# Altium PCB Smart-Light-Modulator-V1.1.PcbDoc
Units mil, origin at the board's own origin, x right, y up, seen from the top; angles counter-clockwise.
Board outline 3937.06 x 3785 mil, 2 copper layers (Top Layer, Bottom Layer); 137 components, 92 nets, 428 pads, 430 vias.
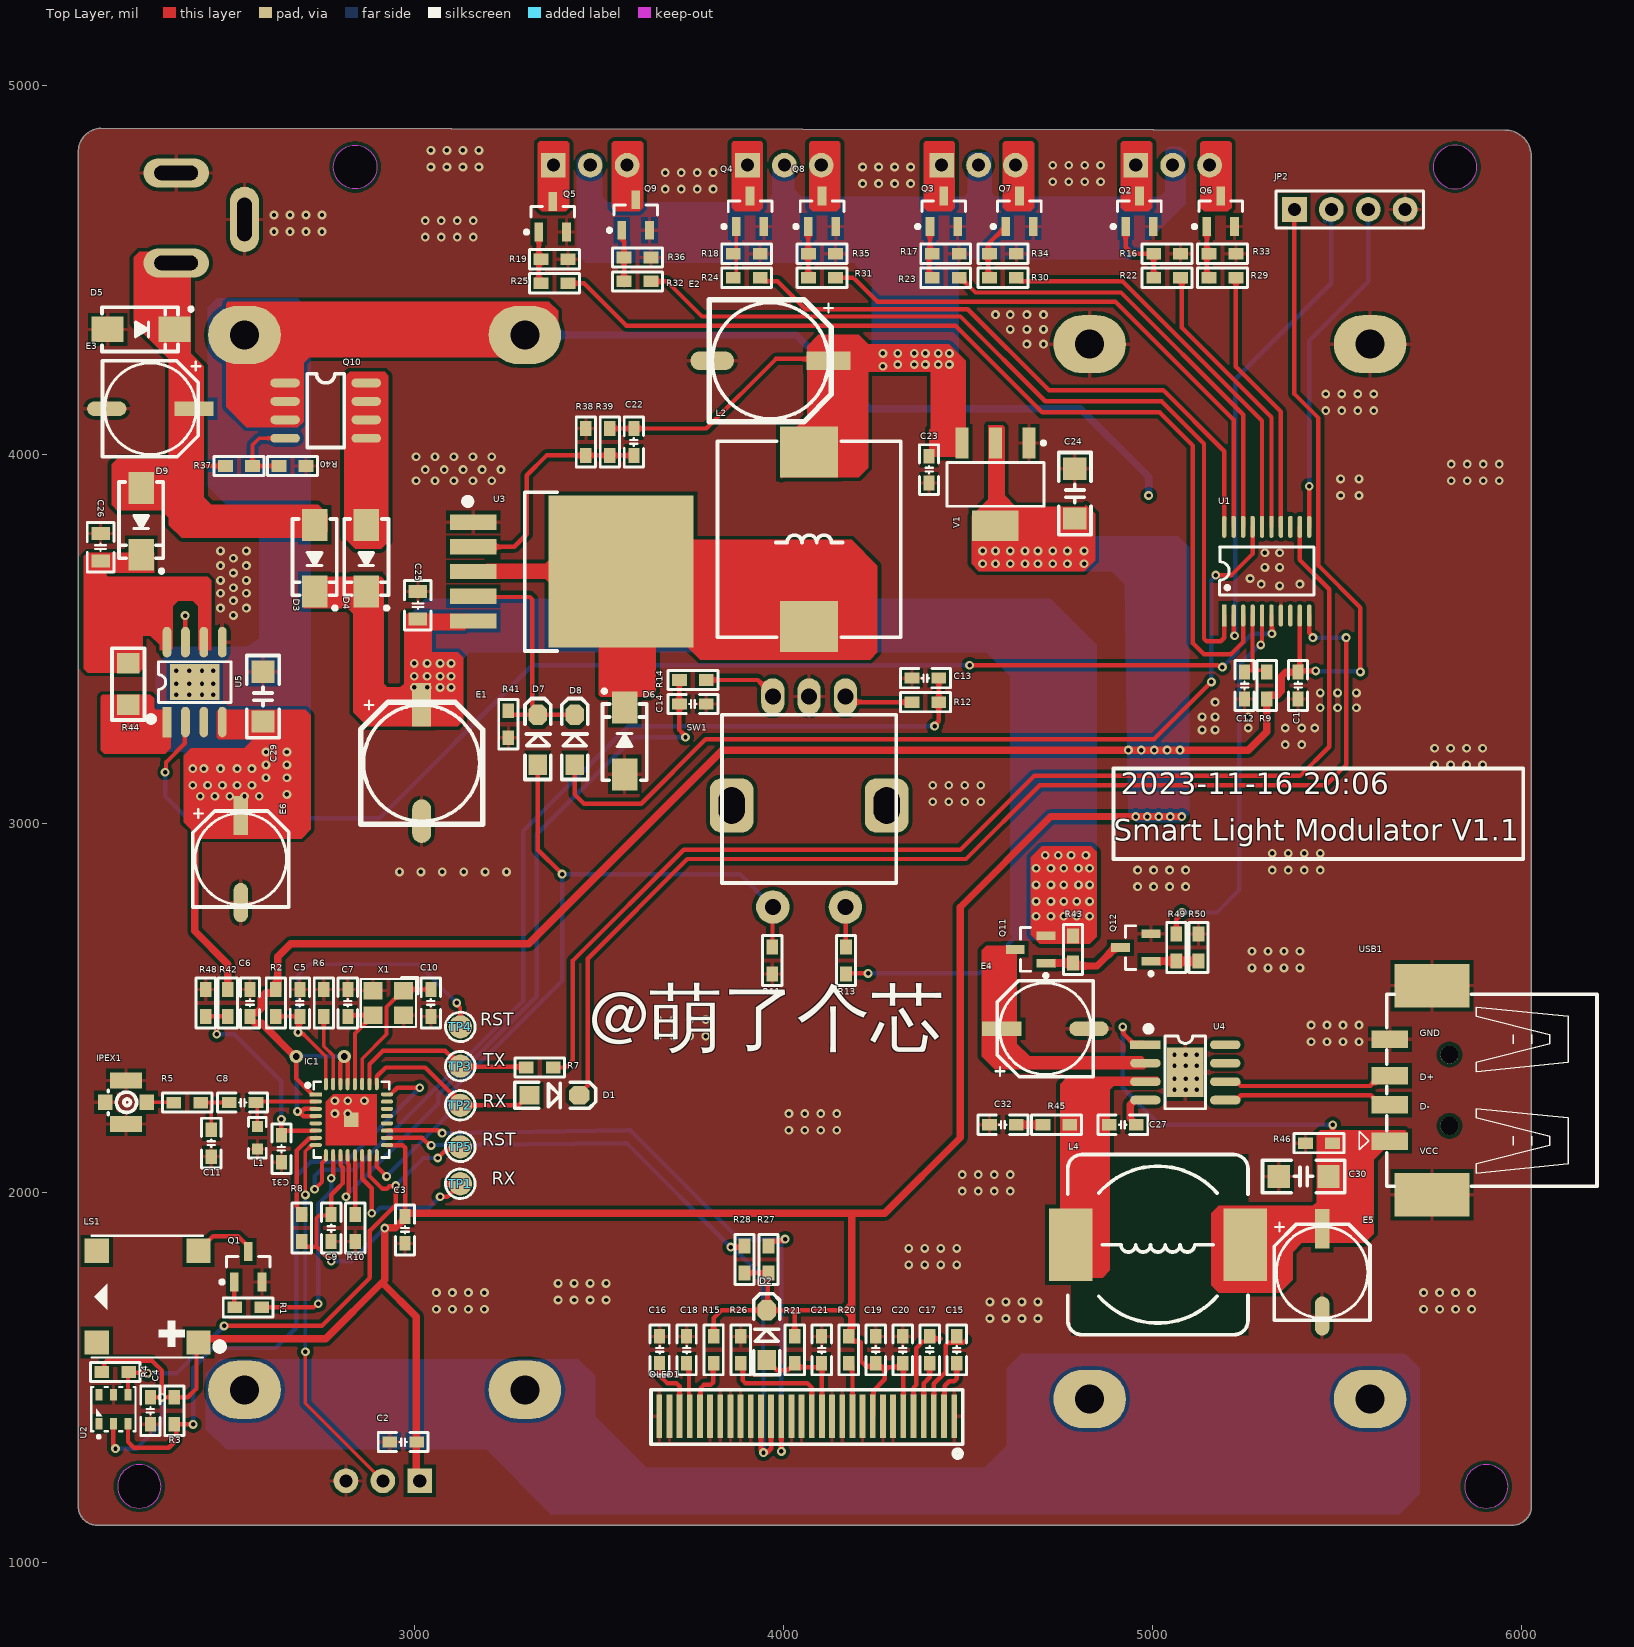
[diagram p0: Top Layer view]
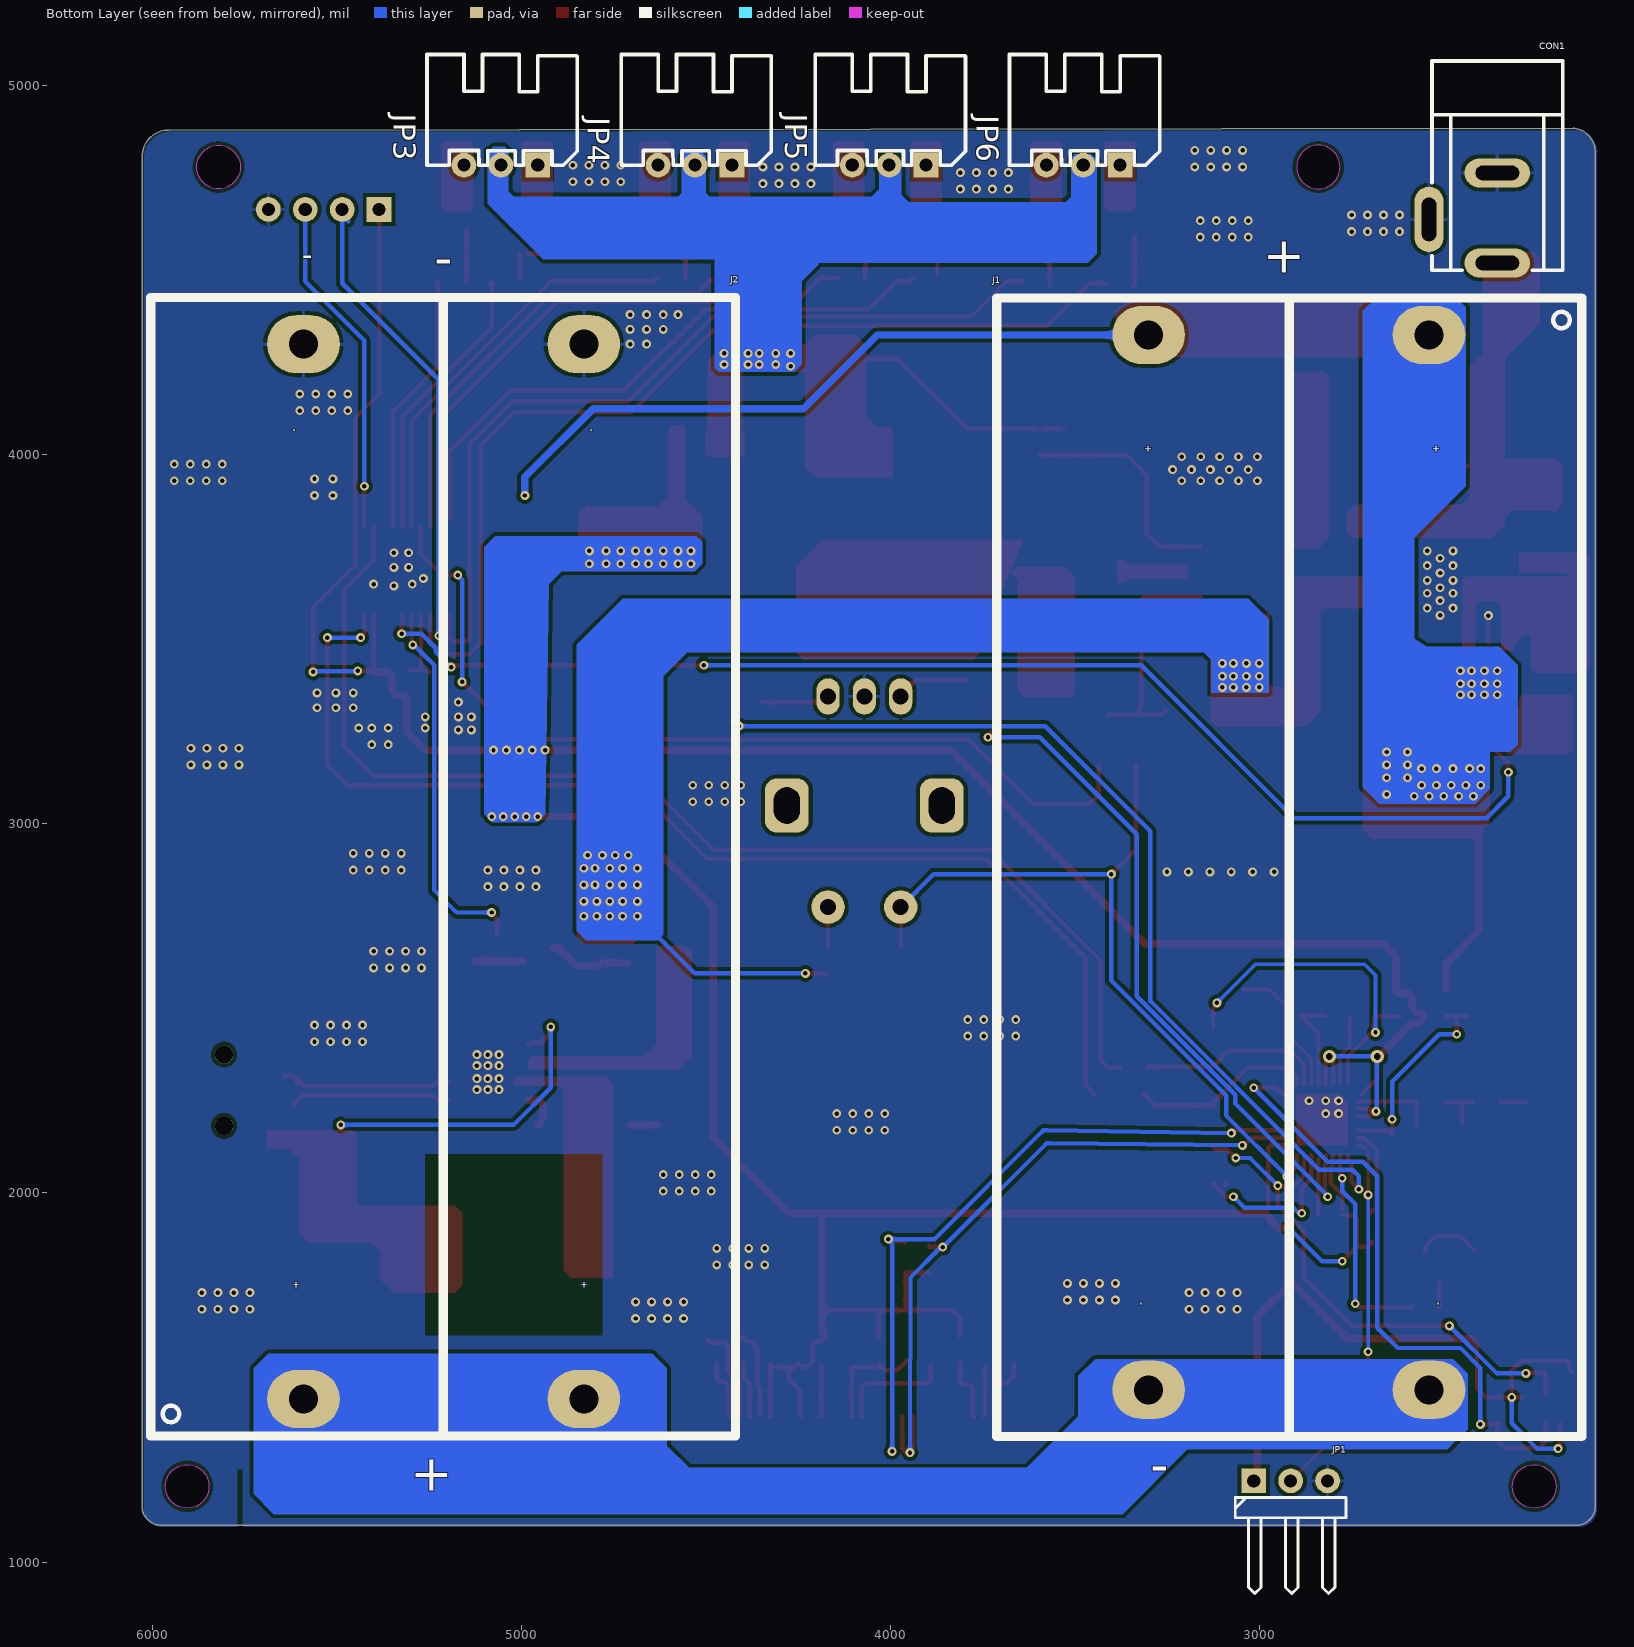
[diagram p1: Bottom Layer view, seen from below]

## Layer stack, top to bottom
Top Solder: solder mask 0.4, Solder Resist, Dk 3.5
Top Layer: signal copper 1.4
Dielectric 1: dielectric 12.6, FR-4, Dk 4.8
Bottom Layer: signal copper 1.4
Bottom Solder: solder mask 0.4, Solder Resist, Dk 3.5

## Board outline
2090,1150 ccw(c2140,1150) 2140,1100 5980,1100 ccw(c5976,1151) 6027.01,1155 6027.01,4810 ccw(c5956,4809) 5955,4880 2150,4885 ccw(c2152.5,4822.5) 2090,4820
cut-out: 2840,4720.94 cw(c2840,4780) 2780.94,4780 cw(c2840,4780) 2840,4839.06 cw(c2840,4780) 2899.06,4780 cw(c2840,4780)
cut-out: 5845.94,1205 ccw(c5905,1205) 5905,1145.94 ccw(c5905,1205) 5964.06,1205 ccw(c5905,1205) 5905,1264.06 ccw(c5905,1205)
cut-out: 5760.94,4780 ccw(c5820,4780) 5820,4720.94 ccw(c5820,4780) 5879.06,4780 ccw(c5820,4780) 5820,4839.06 ccw(c5820,4780)
cut-out: 2195.94,1205 ccw(c2255,1205) 2255,1145.94 ccw(c2255,1205) 2314.06,1205 ccw(c2255,1205) 2255,1264.06 ccw(c2255,1205)

## Design rules (kind name [scope] priority, off if disabled: settings)
Clearance inpolygon [inpolygon] p1: gap=10 ignorepadtopadclearanceinfootprint=FALSE
Clearance [All] p2: gap=5 ignorepadtopadclearanceinfootprint=FALSE
PolygonConnect [All] p1: thpad.connectstyle=Relief thpad.reliefconductorwidth=10 thpad.reliefentries=4 thpad.polygonreliefangle="90 Angle" thpad.airgapwidth=10 smdpad.connectstyle=Relief smdpad.reliefconductorwidth=10 smdpad.reliefentries=4 smdpad.polygonreliefangle="90 Angle" smdpad.airgapwidth=10 via.connectstyle=Direct via.reliefconductorwidth=10 via.reliefentries=4 via.polygonreliefangle="90 Angle" via.airgapwidth=10
RoutingVias [All] p1: holewidth=15 width=30 viastyle="Through Hole" minholewidth=10 minwidth=20 maxholewidth=30 maxwidth=60
SolderMaskExpansion [All] p1: expansion=4 istentingtop=FALSE
Width [InNetClass('All Nets')] p1: maxlimit=50 minlimit=8 preferedwidth=12
30 further rules are at their usual default settings.

## Classes and differential pairs
component class Smart-Light-Hk-V1.1: C1 C2 C3 C4 C5 C6 C7 C8 C9 C10 C11 C12 C13 C14 C15 C16 C17 C18 C19 C20 C21 D1 D2 IC1 IPEX1 JP1 JP2 JP3 JP4 JP5 JP6 L1 LS1 OLED1 Q1 Q2 Q3 Q4 Q5 Q6 Q7 Q8 Q9 R1 R2 R3 R4 R5 R6 R7 R8 R9 R10 R11 R12 R13 R14 R15 R16 R17 R18 R19 R20 R21 R22 R23 R24 R25 R26 R27 R28 R29 R30 R31 R32 R33 R34 R35 R36 SW1 TP1 TP2 TP3 TP4 TP5 U1 U2 X1
component class Power-V1.1: C22 C23 C24 C25 C26 C27 C29 C30 C31 C32 CON1 D3 D4 D5 D6 D7 D8 D9 E1 E2 E3 E4 E5 E6 J1 J2 L2 L4 Q10 Q11 Q12 R37 R38 R39 R40 R41 R42 R43 R44 R45 R46 R48 R49 R50 U3 U4 U5 USB1 V1

## Components (designator, comment, footprint, x,y, rotation, side; value= is the part's Value field where it differs from the comment)
C1 "100nF" C0603_M 5395,3375 r90 top
C2 "100nF" C0603_M 2970,1325 r0 top
C3 "100nF" C0603_M 2975,1900 r90 top
C4 "100nF" C0603_M 2285,1410 r90 top
C5 "100nF" C0603_M 2690,2515 r270 top
C6 "100nF" C0603_M 2555,2515 r270 top
C7 "10pF" C0603_M 2820,2515 r270 top
C8 "8.2pF" C0603_M 2535,2245 r180 top
C9 "100nF" C0603_M 2775,1905 r90 top
C10 "10pF" C0603_M 3045,2515 r90 top
C11 "2.4pF" C0603_M 2450,2135 r90 top
C12 "100nF" C0603_M 5250,3375 r270 top
C13 "100nF" C0603_M 4385,3395 r180 top
C14 "100nF" C0603_M 3755,3325 r180 top
C15 "1uF" C0603_M 4470,1575 r270 top
C16 "2.2uF" C0603_M 3665,1575 r90 top
C17 "1uF" C0603_M 4396.82,1575 r270 top
C18 "4.7uF" C0603_M 3738.18,1575 r90 top
C19 "1uF" C0603_M 4250.45,1575 r270 top
C20 "1uF" C0603_M 4323.64,1575 r270 top
C21 "4.7uF" C0603_M 4104.09,1575 r90 top
C22 "33nF" C0603_M 3595,4035 r90 top
C23 "10uF" C0603_M 4395,3960 r90 top
C24 "22uF" C1206_M 4790,3895 r270 top
C25 "1uF" C0805_L 3010,3592.5 r270 top
C26 "1uF" C0805_L 2150,3750 r270 top
C27 "100nF" C0603_M 4920,2185 r180 top
C29 "22uF" C1206_M 2590,3345 r270 top
C30 "10uF" C1206_M 5410,2045 r0 top
C31 "100nF" C0603_M 2640,2120 r90 top
C32 "1nF" C0603_M 4595,2185 r180 top
CON1 "3.5*1.3" DC-005 2354.99,4764.08 r90 bottom
D1 "1N4148" SOD-123 3380,2265 r0 top
D2 "1N4148" SOD-123 3955,1615 r90 top
D3 "SS54" SMA 2730,3720 r270 top
D4 "SS54" SMA 2870,3720 r270 top
D5 "SMAJ12CA" SMA 2260,4340 r0 top
D6 "SS54" SMA 3570,3225 r90 top
D7 "1N4148" SOD-123 3335,3228 r90 top
D8 "1N4148" SOD-123 3435,3228 r90 top
D9 "SS14" SMA 2260,3820 r270 top
E1 "470uF/16V" "CE E(8*10.2)" 3020,3165 r90 top
E2 "470uF/16V" "CE E(8*10.2)" 3965,4255 r0 top
E3 "220uF/16V" "CE D(6.3*7.7)" 2285,4125 r0 top
E4 "220uF/16V" "CE D(6.3*7.7)" 4710,2445 r180 top
E5 "220uF/16V" "CE D(6.3*7.7)" 5460,1785 r90 top
E6 "220uF/16V" "CE D(6.3*7.7)" 2530,2905 r90 top
IC1 "ESP8285" "QFN32 5x5_N" 2829.53,2198.5 r270 top
IPEX1 "IPEX" IPEX1_SMD 2225,2245 r90 top
J1 "BAT_2_18650" BAT_2_18650 3711.06,4425.39 r270 bottom locked
J2 "BAT_2_18650" BAT_2_18650 4418.94,1341.34 r90 bottom locked
JP1 "HDR-1X3" HDR2.54-WI-3P 2915,1220 r180 bottom
JP2 "HDR-1X4" HDR2.54-LI-4P 5535,4665 r0 top
JP3 "HDR-1X3" XH2.54-WI-3P 5055,4785 r0 bottom
JP4 "HDR-1X3" XH2.54-WI-3P 4528.98,4785 r0 bottom
JP5 "HDR-1X3" XH2.54-WI-3P 4002.95,4785 r0 bottom
JP6 "HDR-1X3" XH2.54-WI-3P 3476.93,4785 r0 bottom
L1 "1.5nH" L0603 2575,2150 r90 top
L2 "33uH" L-SMD-1265 4318.5,3508.94 r90 top
L4 "22uH" CDRH125 5015,1860 r180 top
LS1 "BEEP_7525" "BEEP 7525" 2447.7,1875.94 r180 top
OLED1 "OLED-0.96-SSD1315-30PIN" SSD1306-30Pin 4462.85,1395.32 r180 top
Q1 "SS8050" SOT23-3N 2550,1800 r90 top
Q2 "AO3400" SOT23-3N 4965,4660 r90 top
Q3 "AO3400" SOT23-3N 4435,4660 r90 top
Q4 "AO3400" SOT23-3N 3910,4660 r90 top
Q5 "AO3400" SOT23-3N 3375,4645 r90 top
Q6 "AO3400" SOT23-3N 5185,4660 r90 top
Q7 "AO3400" SOT23-3N 4640,4660 r90 top
Q8 "AO3400" SOT23-3N 4105,4660 r90 top
Q9 "AO3400" SOT23-3N 3600,4650 r90 top
Q10 "NCE4335" SOP-8 2760,4120 r0 top
Q11 "AO3401" SOT23-3N 4670,2660 r180 top
Q12 "SS8050" SOT23-3N 4955,2665 r180 top
R1 "4K7" R0603_M 2550,1690 r0 top
R2 "10K" R0603_M 2625,2515 r90 top
R3 "10K" R0603_M 2350,1410 r90 top
R4 "10K" R0603_M 2190,1515 r180 top
R5 "0R" R0603_M 2385,2245 r0 top
R6 "12K 1%" R0603_M 2755,2515 r90 top
R7 "0R" R0603_M 3340,2340 r180 top
R8 "10K" R0603_M 2695,1905 r270 top
R9 "1K" R0603_M 5310,3375 r90 top
R10 "10K" R0603_M 2840,1905 r270 top
R11 "820R" R0603_M 3970,2630 r90 top
R12 "1K" R0603_M 4385,3330 r180 top
R13 "2K" R0603_M 4170,2630 r90 top
R14 "1K" R0603_M 3755,3390 r0 top
R15 "560K" R0603_M 3811.36,1575 r270 top
R16 "100K" R0603_M 5040,4545 r180 top
R17 "100K" R0603_M 4440,4545 r180 top
R18 "100K" R0603_M 3900.79,4545 r180 top
R19 "100K" R0603_M 3380,4530 r180 top
R20 "4K7" R0603_M 4177.27,1575 r90 top
R21 "4K7" R0603_M 4030.91,1575 r270 top
R22 "10K" R0603_M 5040,4480 r180 top
R23 "10K" R0603_M 4440,4480 r180 top
R24 "10K" R0603_M 3900.79,4480 r180 top
R25 "10K" R0603_M 3380,4465 r180 top
R26 "4K7" R0603_M 3884.55,1575 r90 top
R27 "10K" R0603_M 3960,1820 r90 top
R28 "10K" R0603_M 3895,1820 r90 top
R29 "10K" R0603_M 5190,4480 r180 top
R30 "10K" R0603_M 4595,4480 r180 top
R31 "10K" R0603_M 4105,4480 r180 top
R32 "10K" R0603_M 3605,4470 r180 top
R33 "100K" R0603_M 5190,4545 r180 top
R34 "100K" R0603_M 4595,4545 r180 top
R35 "100K" R0603_M 4105,4545 r180 top
R36 "100K" R0603_M 3605,4535 r180 top
R37 "3K" R0603_M 2525,3970 r180 top
R38 "2K 1%" R0603_M 3465,4035 r270 top
R39 "10.5K" R0603_M 3530,4035 r90 top
R40 "4K7" R0603_M 2670,3970 r180 top
R41 "100K" R0603_M 3255,3270 r90 top
R42 "4M7" R0603_M 2495,2515 r90 top
R43 "10K" R0603_M 4785,2660 r90 top
R44 "500mR" R1206_L 2225,3380 r270 top
R45 "2R" R0603_M 4740,2185 r0 top
R46 "3K3" R0603_M 5451.5,2135 r180 top
R48 "300K" R0603_M 2435,2515 r270 top
R49 "4.7K" R0603_M 5065,2665 r90 top
R50 "47K" R0603_M 5125,2665 r90 top
SW1 "EC11" EC11-B 4070,3060 r90 top
TP1 "RX" "TEST 1.6" 3125,2025 r0 top
TP2 "RX" "TEST 1.6" 3125,2237.5 r0 top
TP3 "TX" "TEST 1.6" 3125,2343.75 r0 top
TP4 "RST" "TEST 1.6" 3125,2450 r0 top
TP5 "RST" "TEST 1.6" 3125,2125 r0 top
U1 "HK32F030MF4P6" TSSOP-20 5310,3685 r90 top
U2 "AHT20" AHT20 2243.59,1354.37 r90 top
U3 "XL4005" TO263-5A 3150,3683.86 r270 top
U4 "IP6510" ESOP8_M 5089.41,2326.69 r0 top
U5 "ME4052" ESOP8_M 2405,3384.41 r90 top
USB1 "USB" USB2.0_Type-A_SMD_F_2 5805,2278.54 r90 top
V1 "AMS1117-3V3" SOT223_L 4575,3920 r270 top
X1 "26M" XTAL-3225-4P 2930,2515 r180 top

## Footprints (in the part's own frame and the unit in brackets; to place one, negate y for a bottom-side part, rotate by r counter-clockwise, add the part's x,y. Pads: shape width x height; smd on the part's side, far side on the other; paste and mask are expansions set on the pad)
AHT20 [mm] "I2C 温湿度传感器"
  rect 0.8x0.5 smd mask+0.05: 1(0.524,2.488) 2(0.524,1.488) 3(0.524,0.488) 4(2.524,0.488) 5(2.524,1.488) 6(2.524,2.488)
  silkscreen extent -0.48,-0.04 3.05,3.01, body extent 0.05,-0.08 3.05,2.92, height 0.84
BAT_2_18650 [mm] "18650电池盒"
  oval 4x5 hole 2: 1(2.55,29.745) 2(2.55,10.445) 3(75.15,10.445) 4(75.15,29.745)
  silkscreen extent 0,0 78.36,40.26
"BEEP 7525" [mm] "侧发声蜂鸣器"
  rect 1.681x1.68 smd mask+0.051: 1(0.821,7.136) 2(0.821,0.836) 3(7.816,0.836) 4(7.816,7.136)
  silkscreen extent -0.88,-0.21 8.16,8.18, body extent 0.54,0.56 8.04,8.07, height 2.62
C0603_M [mil] "贴片MLCC电容"
  rect 40x30 smd: 1(-36.5,0) 2(36.5,0)
  silkscreen extent -68,-26 68,26, body extent -31,-16 32,16, height 33
C0805_L [mil] "贴片MLCC电容"
  rect 35x50 smd: 1(-37.4,0) 2(37.4,0)
  silkscreen extent -67,-36 67,36, body extent -39,-24 39,24, height 22
C1206_M [mil] "贴片MLCC电容"
  rect 60x62.99 smd: 1(-67.5,0) 2(67.5,0)
  silkscreen extent -112,-44 112,44, body extent -63,-32 63,32, height 50
CDRH125 [mm] "12*12*5mm（长宽高）"
  rect 3x5 smd: 1(-6,0) 2(6,0)
  silkscreen extent -6.2,-6.2 6.2,6.2, body extent -6,-6 6,6, height 5.03
"CE D(6.3*7.7)" [mm] "贴片电解电容，直径6.3mm，高7.7mm"
  rect 2.7x1 smd: 1(3,0)
  oval 2.7x1 smd: 2(-3,0)
  silkscreen extent -3.3,-3.3 3.43,3.3, body extent -3.5,-3.3 3.5,3.3, height 7.75
"CE E(8*10.2)" [mm] "贴片电解电容，直径8mm，高10.2mm"
  rect 3x1.3 smd: 1(4,0)
  oval 3x1.3 smd: 2(-4,0)
  silkscreen extent -4.2,-4.2 4.3,4.2, body extent -4.5,-4.15 4.5,4.15, height 10.25
DC-005 [mm] "DC母座5.5mm"
  oval 2x4.5 hole 1 slot 3 at 90 deg: 1(-6.2,0) 2(0,0)
  oval 4.5x2 hole 1 slot 3 at 0 deg: 3(-3.2,4.7)
  silkscreen extent -6.7,-4.5 7.7,4.5, body extent -6.55,-4.5 7.5,4.8, height 11.25
EC11-B [mm] "数字开关编码器              联系卖家 免费查找封装"
  rrect50% 3.7x3 hole 1.8 slot 2.5 at 0 deg: 0(-0.254,5.334) 0(-0.254,-5.334)
  round 2.3 hole 1.1: 1(-7.25,2.5) 2(-7.25,-2.5)
  oval 2.5x1.6 hole 1.1: A(7.25,-2.5) B(7.25,2.5) C(7.25,0)
  silkscreen extent -5.59,-6 6,6, body extent -7.65,-6.24 7.15,6.24, height 2.87
ESOP8_M [mm] "5*6*1.8mm（长宽高）"
  rect 2.1x0.6 smd: 1(-2.75,1.905)
  oval 2.1x0.6 smd: 2(-2.75,0.635) 3(-2.75,-0.635) 4(-2.75,-1.905) 5(2.75,-1.905) 6(2.75,-0.635) 7(2.75,0.635) 8(2.75,1.905)
  rect 2.5x3.4 smd paste-2: 9(0,0)
  rect 0.9x0.7 on Top Paste: 10(-0.625,-1.1) 10(-0.625,0) 10(-0.625,1.1) 11(0.65,0) 11(0.65,-1.1) 11(0.65,1.1)
  silkscreen extent -2.69,-2.5 1.4,3.15, body extent -3,-2.5 3,2.5
HDR2.54-LI-4P [mm] "排针，4脚"
  rect 1.7x1.7 hole 0.9: 1(-3.81,0)
  round 1.7 hole 0.9: 2(-1.27,0) 3(1.27,0) 4(3.81,0)
  silkscreen extent -5.08,-1.27 5.08,1.27, body extent -5.08,-1.27 5.08,1.27, height 2.54
HDR2.54-WI-3P [mm] "弯脚排针，3脚"
  rect 1.7x1.7 hole 0.9: 1(-2.54,0)
  round 1.7 hole 0.9: 2(0,0) 3(2.54,0)
  silkscreen extent -3.81,-7.76 3.81,-1.14, body extent -3.81,-7.77 3.81,1.27, height 4.9
IPEX1_SMD [mm] "1代 IPEX"
  rect 1.1x2.2 smd: 1(-1.482,0.147) 3(1.518,0.147)
  rect 1.05x1 smd: 2(0.018,-1.278) 4(0.018,1.572)
  silkscreen extent -0.82,-0.58 0.85,1.37
L0603 [mil] "小功率贴片电感            联系卖家 免费查找封装"
  rect 30x30 smd: 1(-30.59,0) 2(30.59,0)
  silkscreen extent -55,-24 55,24, body extent -31,-16 32,16, height 31
L-SMD-1265 [mm] "一体化成型电感"
  rect 3.5x4 smd mask+0.051: 1(0.662,6.312) 2(12.662,6.312)
  silkscreen extent -0.09,0.01 13.41,12.61, body extent -0.01,-0.08 13.44,12.52, height 5.09
"QFN32 5x5_N" [mm] "32脚，长x宽x高：5x5x0.95mm，脚距：0.5mm"
  rect 0.275x0.85 smd: 1(-1.751,-2.451)
  oval 0.275x0.85 smd: 2(-1.25,-2.451) 3(-0.75,-2.451) 4(-0.25,-2.451) 5(0.25,-2.451) 6(0.75,-2.451) 7(1.25,-2.451) 8(1.75,-2.451) 17(1.75,2.451) 18(1.25,2.451) 19(0.75,2.451) 20(0.25,2.451) 21(-0.25,2.451) 22(-0.75,2.451) 23(-1.25,2.451) 24(-1.75,2.451)
  oval 0.85x0.275 smd: 9(2.451,-1.75) 10(2.451,-1.25) 11(2.451,-0.75) 12(2.451,-0.25) 13(2.451,0.25) 14(2.451,0.75) 15(2.451,1.25) 16(2.451,1.75) 25(-2.451,1.75) 26(-2.451,1.25) 27(-2.451,0.75) 28(-2.451,0.25) 29(-2.451,-0.25) 30(-2.451,-0.75) 31(-2.451,-1.25) 32(-2.451,-1.75)
  rect 1x1 smd: 33(0,0)
  Top Layer region: -1.75,1.75 1.75,1.75 1.75,-1.75 -1.25,-1.75 -1.75,-1.25
  silkscreen extent -2.6,-3.12 2.6,2.6, body extent -2.5,-2.5 2.5,2.5, height 0.93
R0603_M [mil] "1/10W贴片电阻"
  rect 40x31.5 smd: 1(-36.5,0) 2(36.5,0)
  silkscreen extent -68,-26 68,26, body extent -31,-16 32,16, height 16
R1206_L [mil] "1/4W贴片电阻"
  rect 55x62 smd: 1(-55.12,0) 2(57.09,0)
  silkscreen extent -96,-44 98,44, body extent -63,-31 63,32, height 22
SMA [mm] "4.5x2.6*2.2mm（长宽高，不包括引脚）联系卖家 免费查找封装"
  rect 2.2x1.75 smd: 1(-2.3,0) 2(2.3,0)
  silkscreen extent -2.7,-1.52 3.56,1.52, body extent -2.55,-1.3 2.55,1.3, height 2.15
SOD-123 [mil] "2.7x1.6X1.1mm（长宽高，不包括引脚） 淘宝ID:黄晶宝石"
  rect 55x50 smd: 1(-67.5,0)
  oct 55x50 smd: 2(67.5,0)
  silkscreen extent -108,-35 112,35, body extent -73,-32 73,31, height 50
SOP-8 [mil] "封装库来自淘宝卖家 ID：黄晶宝石"
  oval 80x24 smd: 1(-110,75) 2(-110,25) 3(-110,-25) 4(-110,-75) 5(110,-75) 6(110,-25) 7(110,25) 8(110,75)
  silkscreen extent -50,-100 50,100, body extent -118,-98 118,98, height 75
SOT23-3N [mm] "SOT23, 3-Leads, Body 2.9x1.3mm, Pitch 0.95mm, Lead Span 2.4mm, IPC Medium Density  联系卖家 免费查找封装"
  rect 1.3x0.6 smd: 1(-1.05,0.95) 2(-1.05,-0.95) 3(1.05,0)
  silkscreen extent -1.17,-1.5 0.7,1.92, body extent -1.2,-1.5 1.2,1.5, height 1.05
SOT223_L [mm] "SOT223, 4-Leads, Body 6.5x3.5mm, Pitch 2.3mm, Lead Span 7mm, IPC High Density"
  rect 2.1x0.9 smd: 1(-2.85,2.3) 2(-2.85,0) 3(-2.85,-2.3)
  rect 2.1x3.2 smd: 4(2.85,0)
  silkscreen extent -2.97,-3.35 1.5,3.43, body extent -3.51,-3.25 3.51,3.25, height 1.65
SSD1306-30Pin [mm] "OLED-30PIN 裸屏"
  rect 0.4x3 smd: 1(-0.005,0.008) 2(0.695,0.008) 3(1.395,0.008) 4(2.095,0.008) 5(2.796,0.008) 6(3.495,0.008) 7(4.195,0.008) 8(4.896,0.008) 9(5.595,0.008) 10(6.295,0.008) 11(6.995,0.008) 12(7.695,0.008) 13(8.395,0.008) 14(9.095,0.008) 15(9.795,0.008) 16(10.495,0.008) 17(11.195,0.008) 18(11.895,0.008) 19(12.595,0.008) 20(13.295,0.008) 21(13.995,0.008) 22(14.695,0.008) 23(15.395,0.008) 24(16.095,0.008) 25(16.795,0.008) 26(17.496,0.008) 27(18.195,0.008) 28(18.895,0.008) 29(19.596,0.008) 30(20.295,0.008)
  silkscreen extent -0.6,-1.83 20.86,2.8
"TEST 1.6" [mm] "测试点1.6mm"
  round 1.6 smd paste-1.6: 1(0,0)
  silkscreen extent -1.01,-1.02 1.02,1.02
TO263-5A [mm] "263，5脚晶体管"
  rect 1.05x3.2 smd: 1(-3.4,0.254) 2(-1.7,0.254) 3(0,0.254) 4(1.7,0.254) 5(3.4,0.254)
  rect 10.45x10 smd: 6(0,10.414)
  silkscreen extent -5.46,-0.33 5.46,6.04, body extent -5,0.24 5,13.57, height 4.5
TSSOP-20 [mil]
  rect 60x12 smd: 1(-120.08,115.16)
  oval 60x12 smd: 2(-120.08,89.57) 3(-120.08,63.98) 4(-120.08,38.39) 5(-120.08,12.8) 6(-120.08,-12.8) 7(-120.08,-38.39) 8(-120.08,-63.98) 9(-120.08,-89.57) 10(-120.08,-115.16) 11(120.08,-115.16) 12(120.08,-89.57) 13(120.08,-63.98) 14(120.08,-38.39) 15(120.08,-12.8) 16(120.08,12.8) 17(120.08,38.39) 18(120.08,63.98) 19(120.08,89.57) 20(120.08,115.16)
  silkscreen extent -65,-128 66,128, body extent -126,-128 126,128, height 41
USB2.0_Type-A_SMD_F_2 [mm] "USB2.0_Type-A贴片母座，无卷边"
  rect 1.2x2.5 smd: 1(-3.5,4.1) 2(-1,4.1) 3(1,4.1) 4(3.5,4.1)
  rect 3x5.15 smd: 4(-7.2,1.2) 4(7.2,1.2)
  round 1.25 hole 1.25 unplated: 7(-2.45,0) 8(2.45,0)
  silkscreen extent -6.6,-10.16 6.61,6.19, body extent -7.75,-9.9 7.75,4.8, height 6.9
XH2.54-WI-3P [mm] "接插件，3P"
  rect 1.7x1.7 hole 0.9: 1(-2.54,0)
  round 1.7 hole 0.9: 2(0,0) 3(2.54,0)
  silkscreen extent -5.26,-7.62 5.08,0, body extent -5.17,-7.45 4.91,0.25, height 2.89
XTAL-3225-4P [mm] "3.2*2.5*0.7mm(长宽高)                             淘宝ID:黄晶宝石"
  rect 1.3x1.2 smd: 1(-1.05,-0.85) 2(1.05,-0.85) 3(1.05,0.85) 4(-1.05,0.85)
  silkscreen extent -2.03,-1.75 1.91,1.65, body extent -1.6,-1.25 1.6,1.25, height 0.7

## Part data
C1 C2 C3 C4 C5 C6 C7 C8 C9 C10 C11 C12 C13 C14 C15 C16 C17 C18 C19 C20 C21 C22 C23 C24 C25 C26 C27 C29 C30 C31 C32: library part C, "贴片电容/MLCC电容", BOM名称=无极性贴片电容, 联系下单店铺卖家 免费帮你查找封装="联系下单店铺卖家 免费技术支持"
CON1: library part DC002~DC005, "低压电源接口", BOM名称=DC电源接口, 联系下单店铺卖家 免费帮你查找封装=封装库来自淘宝卖家ID：黄晶宝石
D1 D2 D7 D8: "开关二极管", BOM名称=高速开关二极管, 以赠品形式获赠本封装库的买家，还可联系卖家免费指导AD软件使用=封装库来自淘宝卖家ID：黄晶宝石
D3 D4 D6 D9: "肖特基二极管", BOM名称=肖特基二极管, 以赠品形式获赠本封装库的买家，还可联系卖家免费指导AD软件使用=封装库来自淘宝卖家ID：黄晶宝石
  D3 D4 D6: 属性=40V/5A
  D9: 属性=40V/1A
D5: "双向TVS VRWM 12V"
E1 E2 E3 E4 E5 E6: library part CE_SMD, "贴片电解电容", BOM名称=贴片电解电容, 联系下单店铺卖家 免费帮你查找封装="联系下单店铺卖家 免费技术支持"
IC1: "WIFI-芯片 内置Flash", BOM名称=WIFI-芯片, 联系下单店铺卖家 免费帮你查找封装=唯一出售店铺网址https://shop463601444.taobao.com
IPEX1: "IPEX天线母座"
J1 J2: "18650电池盒"
JP1 JP3 JP4 JP5 JP6: library part "Header 3", "3P接插件", BOM名称=3P接插件, 封装库来自淘宝卖家ID：黄晶宝石=其他店铺购入均为盗版封装库，请立即申请退款，本店现金奖励50~200元, 联系卖家，免费查找封装=唯一出售店铺网址https://shop463601444.taobao.com
JP2: library part "Header 4", "4P接插件", BOM名称=4P接插件, 封装库来自淘宝卖家ID：黄晶宝石=其他店铺购入均为盗版封装库，请立即申请退款，本店现金奖励50~200元, 联系卖家，免费查找封装=唯一出售店铺网址https://shop463601444.taobao.com
L1: library part L, "贴片小功率电感", BOM名称=小功率贴片电感, 联系下单店铺卖家 免费帮你查找封装="联系下单店铺卖家 免费技术支持"
L2: library part "L-Molding Choke", "一体成型电感", BOM名称=一体成型电感, 联系下单店铺卖家 免费帮你查找封装="联系下单店铺卖家 免费技术支持"
L4: library part L-CDRH, "CDRH功率屏蔽电感", BOM名称=功率屏蔽电感, 联系下单店铺卖家 免费帮你查找封装="联系下单店铺卖家 免费技术支持"
LS1: "无源蜂鸣器侧发声"
Q1 Q12: library part 8050-SMD, "高频放大-NPN型", 8元以下特价购入的买家=还可以联系卖家远程指导AD软件使用, BOM名称=高频放大-NPN型, 参数="40V 1.5A 1W 100MHZ"
Q2 Q3 Q4 Q5 Q6 Q7 Q8 Q9: "N沟道 30V/4.2A", 8元以下特价购入的买家=还可以联系卖家远程指导AD软件使用, BOM名称=场效应管, 参数="N沟道 30V/4.2A"
Q10: "P沟道 -30V/-9A", 8元以下特价购入的买家="还可以联系卖家 远程指导AD软件使用", BOM名称=P沟道场效应管
Q11: "P沟道 30V/4.2A", 8元以下特价购入的买家=还可以联系卖家远程指导AD软件使用, BOM名称=场效应管, 参数="P沟道 30V/4.2A"
R1 R2 R3 R4 R5 R6 R7 R8 R9 R10 R11 R12 R13 R14 R15 R16 R17 R18 R19 R20 R21 R22 R23 R24 R25 R26 R27 R28 R29 R30 R31 R32 R33 R34 R35 R36 R37 R38 R39 R40 R41 R42 R43 R44 R45 R46 R48 R49 R50: library part R, "贴片电阻", BOM名称=贴片电阻, 联系下单店铺卖家 免费帮你查找封装="联系下单店铺卖家 免费技术支持"
SW1: "数字开关编码器", BOM名称=数字编码开关, 封装库来自淘宝卖家：黄晶宝石=其他店铺购入均为盗版封装库，请立即申请退款，本店现金奖励200~1000元, 联系卖家，免费查找封装=唯一出售店铺网址https://shop463601444.taobao.com
TP1 TP2 TP3 TP4 TP5: library part TEST, "测试点", BOM名称=测试点, 封装库来自淘宝卖家：黄晶宝石=其他店铺购入均为盗版封装库，请立即申请退款，本店现金奖励200~1000元, 联系卖家，免费查找封装=唯一出售店铺网址https://shop463601444.taobao.com
U1: "HK32F030M 系列使用 ARM® CortexTM-M0 内核，最高工作频率 32MHz，内置 16K-Byte / FLASH、448-Byte EEPROM 和 2-KByte SRAM。通过 FLASH 控制器的寄存器配置，可实 / 现中断向量在 16K-Byte 空间内的重映射。"
U2: "IIC接口 温湿度传感器"
U3: "降压芯片5A   xl4003 4A", 封装库来自淘宝卖家：黄晶宝石=其他店铺购入的买家，请立即申请退款，本店现金奖励200~1000元
U4: "快充芯片", 封装库来自淘宝卖家：黄晶宝石=其他店铺购入的买家，请立即申请退款，本店现金奖励200~1000元
U5: "两节锂电池充电芯片"
USB1: library part USB2.0_Type-A_F, "USB2.0_Type-A母座", BOM名称=USB2.0_Type-A母座, 联系下单店铺卖家 免费帮你查找封装=封装库来自淘宝卖家ID：黄晶宝石
V1: library part AMS1117, "三端稳压芯片", BOM名称=稳压芯片, 封装库来自淘宝卖家：黄晶宝石=其他店铺购入的买家，请立即申请退款，本店现金奖励200~1000元
X1: library part XTAL-4P, "4脚无源晶振(谐振器）", BOM名称=4脚无源晶振(谐振器）, 联系下单店铺卖家 免费帮你查找封装="联系下单店铺卖家 免费技术支持"

## Via types
v1: diameter 24, hole 12, Top Layer to Bottom Layer, tented both sides, 428 vias
v2: diameter 36, hole 18, Top Layer to Bottom Layer, tented both sides, 2 vias
